# Altium PCB fpga.PcbDoc (part 7 of 11) (continued)
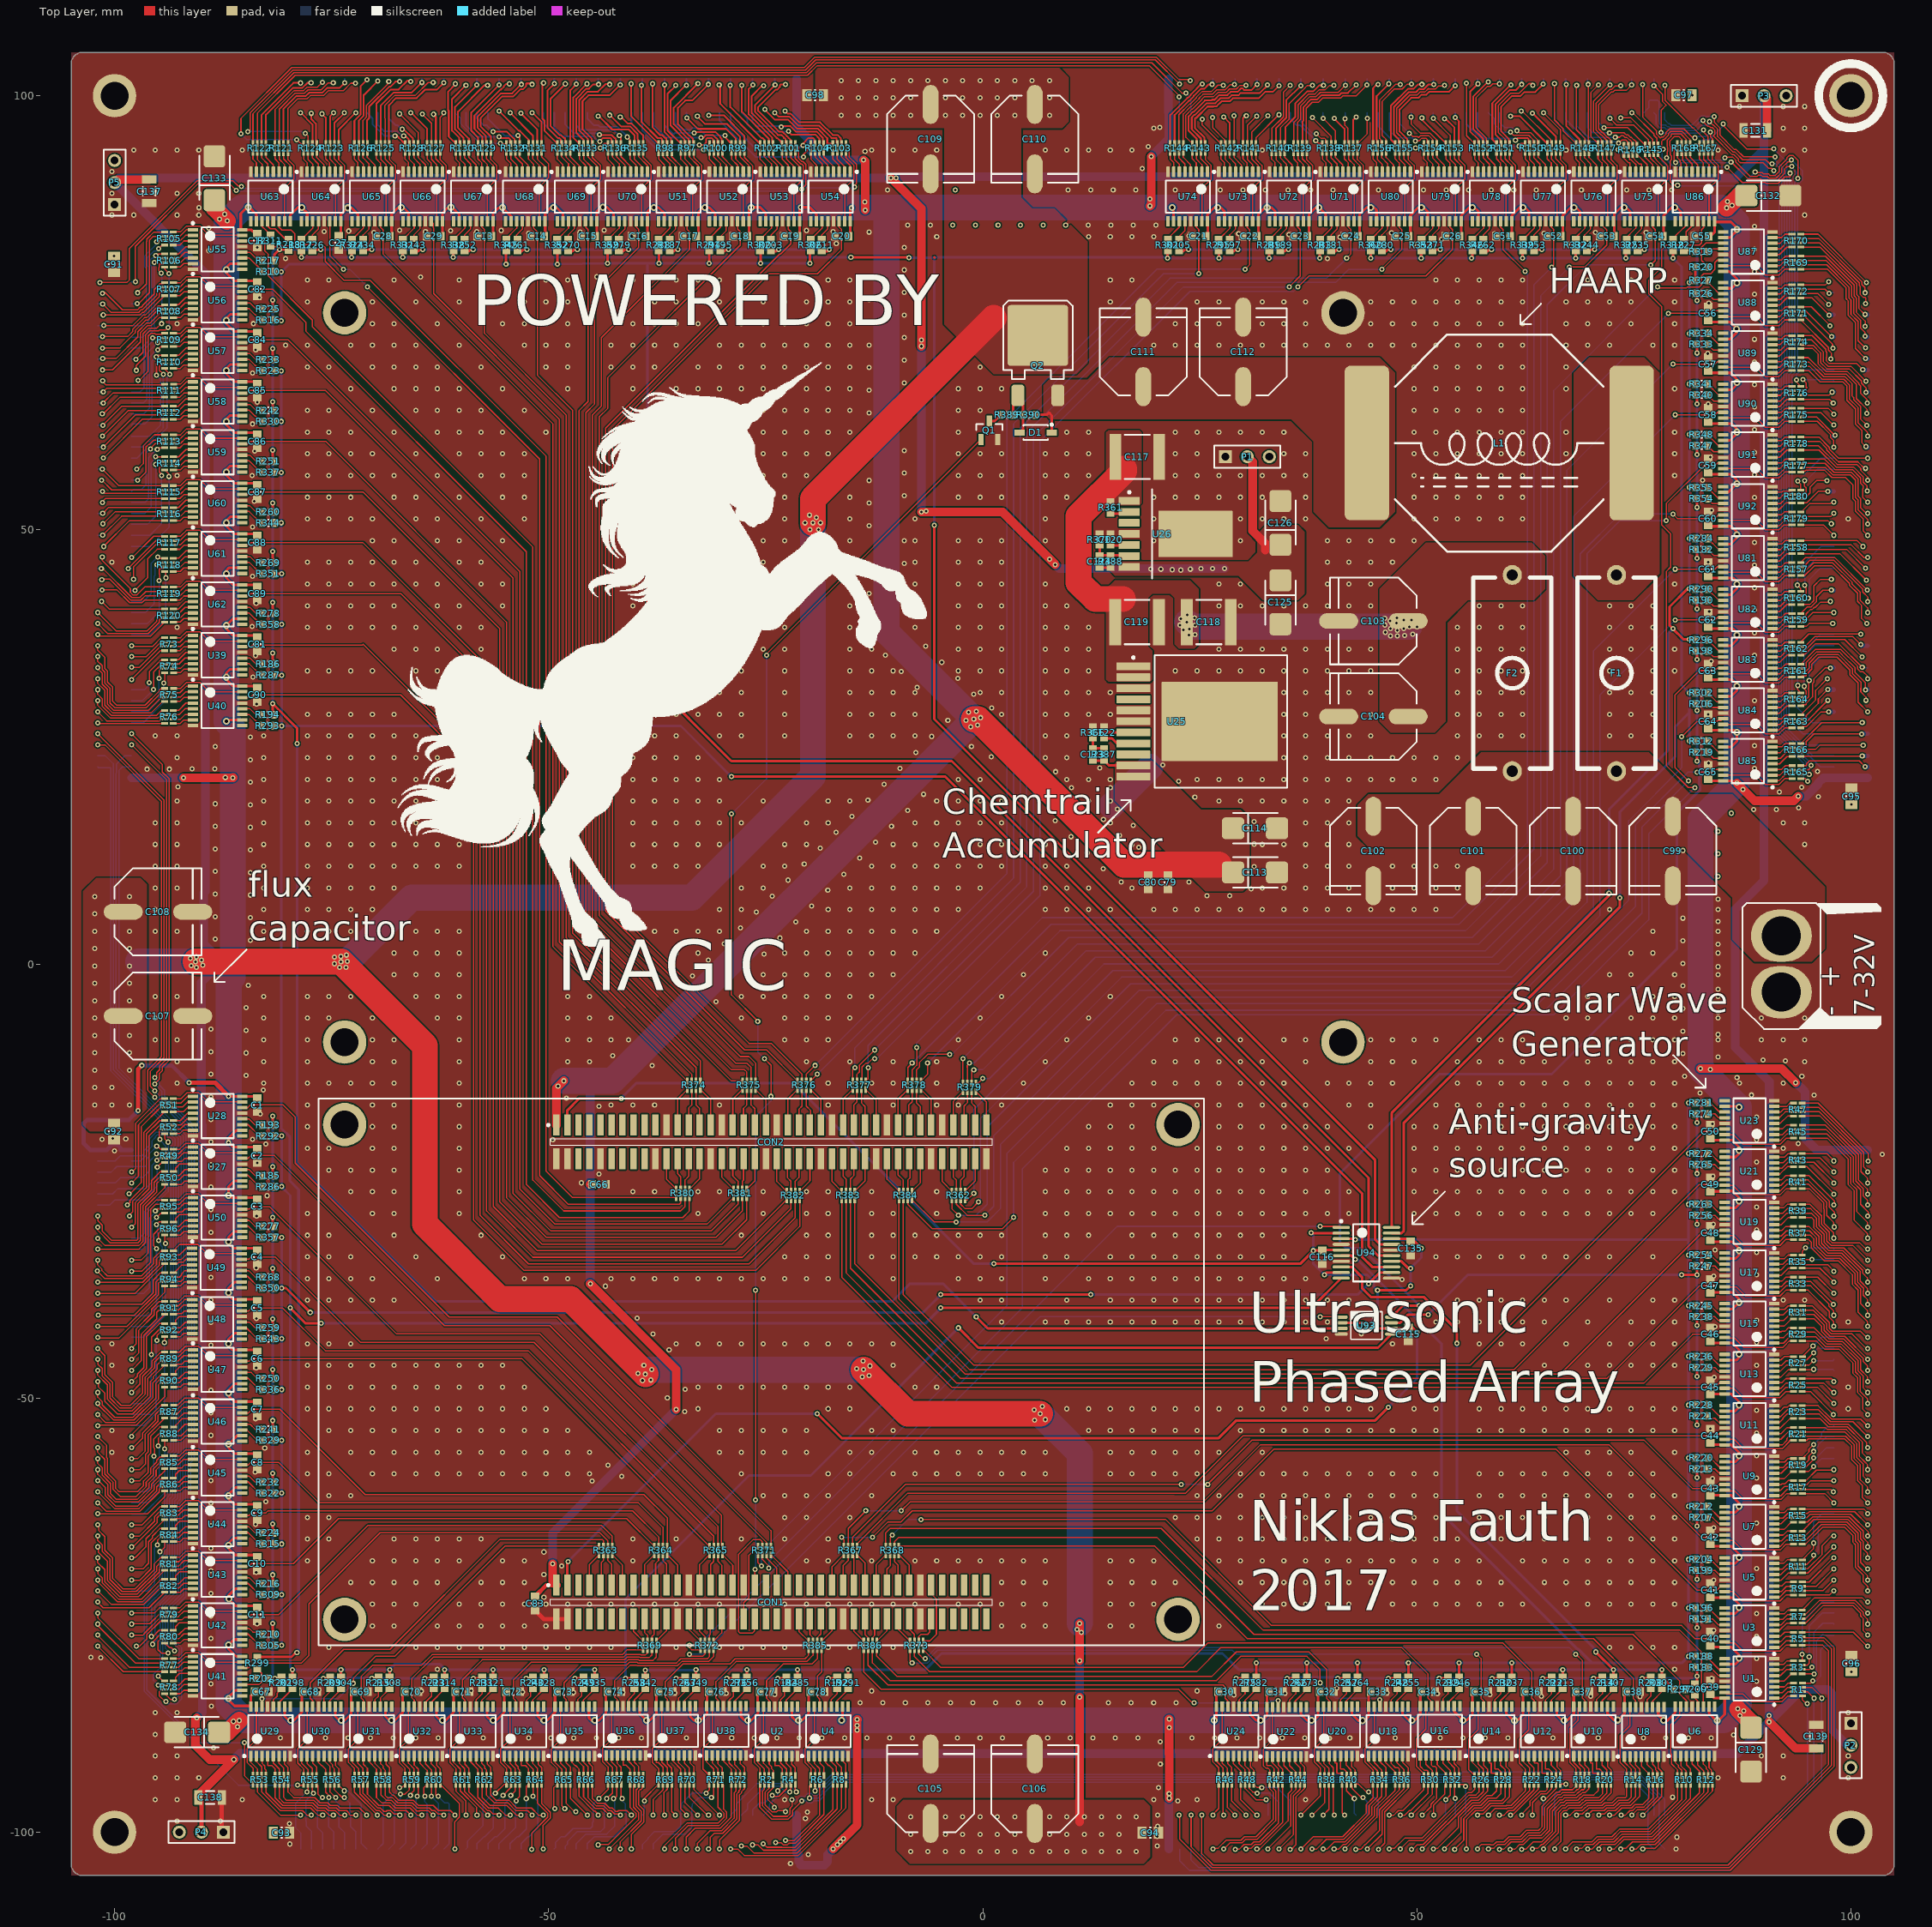
[diagram p0: Top Layer view]
## Nets (pads, with @x,y where several pads share a name; then routed paths per layer and width w, separated by ;. In a path a pad name is that pad's centre, name@x,y a point inside that pad or via, vN(x,y) a via of type N, cw(c..) or ccw(c..) an arc to the next point about the centre after c; other vN are vias at no path point) (continued)
  Top Layer w0.15: v1(-101.321,65.888) -100.922,66.286 R111.6@-94.218,66.286
  Bottom Layer w0.15: J5.75@-101.95,65.875 -101.333,65.875 v1(-101.321,65.888)
NetJ5_76: J5.76 R109.6 | length 9.3
  Top Layer w0.15: v1(-95.606,72.111) -94.247,72.111 R109.6@-94.226,72.132
  Bottom Layer w0.15: J5.76@-98.05,65.875 -97.066,65.875 -96.607,66.334 -96.607,70.759 -95.529,71.837 -95.529,72.085 -95.555,72.111 v1(-95.606,72.111)
NetJ5_77: J5.77 R111.5 | length 7.5
  Top Layer w0.15: v1(-101.371,67.158) -101.371,67.132 -101.397,67.107 -100.973,66.683 -94.321,66.683 R111.5@-94.218,66.786
NetJ5_78: J5.78 R109.5 | length 8
  Top Layer w0.15: v1(-97.282,67.208) -97.307,67.183 -97.307,67.081 -96.131,68.258 -96.131,72.328 -95.823,72.636 -95.388,72.636 -95.26,72.507 -94.549,72.507 -94.42,72.636 -94.23,72.636 R109.5@-94.226,72.632
NetJ5_79: J5.79 R108.8 | length 10.3
  Top Layer w0.15: v1(-101.397,68.428) -100.232,68.428 -97.031,71.629 -97.031,72.701 -96.196,73.536 -95.772,73.536 -94.873,74.434 R108.8@-94.226,74.434
NetJ5_80: J5.80 R106.8 | length 14.7
  Top Layer w0.15: v1(-97.485,68.377) -97.511,68.402 -97.511,68.93 -96.431,70.01 -96.431,72.452 -95.947,72.936 -94.911,72.936 -94.84,73.007 -94.15,73.007 v1(-93.853,73.304) ; R106.8@-94.226,80.276 -94.226,80.027 v1(-93.726,79.527)
  Bottom Layer w0.15: v1(-93.853,73.304) -93.726,73.431 v1(-93.726,79.527)
NetJ5_81: J5.81 R108.7 | length 10.2
  Top Layer w0.15: v1(-101.371,69.748) -99.822,69.748 -97.331,72.24 -97.331,72.825 -96.32,73.836 -95.896,73.836 -94.797,74.934 R108.7@-94.226,74.934
  Bottom Layer w0.15: J5.81@-101.95,69.685 -101.435,69.685 v1(-101.371,69.748)
NetJ5_82: J5.82 R106.7 | length 14.3
  Top Layer w0.15: v1(-97.536,69.647) -96.731,70.452 -96.731,72.577 -96.072,73.236 -95.14,73.236 -94.793,73.582 -94.793,73.787 -94.59,73.787 v1(-94.564,73.762) ; v1(-94.64,79.578) -94.92,79.858 -94.92,80.213 -94.851,80.282 -94.851,80.651 -94.351,80.651 R106.7@-94.226,80.776
  Bottom Layer w0.15: J5.82@-98.05,69.685 -97.574,69.685 v1(-97.536,69.647) ; v1(-94.64,79.578) -94.564,79.502 v1(-94.564,73.762)
NetJ5_83: J5.83 R108.6 | length 9.3
  Top Layer w0.15: v1(-101.397,70.917) -101.448,70.968 -99.365,70.968 -97.631,72.702 -97.631,72.949 -96.444,74.136 -96.197,74.136 -94.898,75.434 R108.6@-94.226,75.434
NetJ5_84: J5.84 R106.6 | length 13.2
  Top Layer w0.15: v1(-95.428,80.797) -95.25,80.797 -94.771,81.276 R106.6@-94.226,81.276
  Bottom Layer w0.15: J5.84@-98.05,70.955 -96.888,70.955 -96.131,71.713 -96.131,72.328 -95.225,73.234 -95.428,73.437 v1(-95.428,80.797)
NetJ5_85: J5.85 R108.5 | length 9.4
  Top Layer w0.15: v1(-101.397,72.263) -98.494,72.263 -97.931,72.826 -97.931,73.074 -96.569,74.436 -96.321,74.436 -94.948,75.809 -94.351,75.809 R108.5@-94.226,75.934
  Bottom Layer w0.15: J5.85@-101.95,72.225 -101.435,72.225 v1(-101.397,72.263)
NetJ5_86: J5.86 R106.5 | length 12.8
  Top Layer w0.15: v1(-95.25,81.585) -95.25,81.559 -95.033,81.776 R106.5@-94.226,81.776
  Bottom Layer w0.15: J5.86@-98.05,72.225 -97.986,72.161 -96.799,72.161 -95.75,73.211 -95.75,80.377 -95.953,80.58 -95.953,81.015 -95.645,81.322 -95.467,81.322 -95.25,81.54 v1(-95.25,81.585)
NetJ5_87: J5.87 R107.8 | length 9.2
  Top Layer w0.15: v1(-101.27,73.533) -97.895,73.533 -96.693,74.736 -96.464,74.736 R107.8@-94.226,76.974
  Bottom Layer w0.15: J5.87@-101.95,73.495 -101.308,73.495 v1(-101.27,73.533)
NetJ5_88: J5.88 R105.8 | length 12.2
  Top Layer w0.15: v1(-94.945,82.398) -94.539,82.804 R105.8@-94.234,82.804
  Bottom Layer w0.15: J5.88@-98.05,73.495 -96.66,73.495 -96.05,74.105 -96.05,80.252 -96.253,80.456 -96.253,81.324 -95.467,82.11 -95.233,82.11 v1(-94.945,82.398)
NetJ5_89: J5.89 R107.7 | length 8.4
  Top Layer w0.15: v1(-101.321,74.752) -97.101,74.752 -96.817,75.036 -96.678,75.036 -94.851,76.862 -94.851,77.217 -94.719,77.349 -94.351,77.349 R107.7@-94.226,77.474
NetJ5_90: J5.90 R105.7 | length 11.5
  Top Layer w0.15: v1(-95.148,83.16) -95.004,83.304 R105.7@-94.234,83.304
  Bottom Layer w0.15: J5.90@-98.05,74.765 -96.71,74.765 -96.35,75.126 -96.35,80.128 -96.553,80.331 -96.553,81.532 -95.148,82.937 v1(-95.148,83.16)
NetJ5_91: J5.91 R107.6 | length 9.7
  Top Layer w0.15: v1(-101.371,76.022) -100.401,75.052 -97.225,75.052 -96.941,75.336 -96.802,75.336 -95.151,76.986 -95.151,77.341 -94.851,77.641 -94.851,77.849 -94.351,77.849 R107.6@-94.226,77.974
  Bottom Layer w0.15: J5.91@-101.95,76.035 -101.384,76.035 v1(-101.371,76.022)
NetJ5_92: J5.92 R105.6 | length 10.7
  Top Layer w0.15: v1(-97.384,76.073) -97.231,76.073 -95.987,77.318 -95.987,83.363 -95.545,83.804 R105.6@-94.234,83.804
  Bottom Layer w0.15: J5.92@-98.05,76.035 -97.346,76.035 v1(-97.384,76.073)
NetJ5_93: J5.93 R107.5 | length 9.7
  Top Layer w0.15: v1(-101.397,77.267) -101.397,77.292 -101.321,77.368 -101.127,77.368 -99.111,75.352 -97.349,75.352 -97.066,75.636 -96.926,75.636 -96.782,75.779 -96.782,75.846 -95.451,77.178 -95.451,77.673 -94.775,78.349 -94.351,78.349 R107.5@-94.226,78.474
NetJ5_94: J5.94 R105.5 | length 9.1
  Top Layer w0.15: v1(-97.358,77.318) -97.384,77.292 -97.384,77.267 -96.342,78.308 -96.342,83.185 -96.287,83.241 -96.287,83.487 -95.47,84.304 R105.5@-94.234,84.304
NetJ5_95: J5.95 R103.5 | length 100.9
  Top Layer w0.15: v1(-101.702,78.486) -98.603,78.486 -98.298,78.791 -98.298,82.423 -98.265,82.423 -90.497,90.191 -86.349,90.191 -85.77,89.611 -85.446,89.611 v1(-85.395,89.56) ; R103.5@-15.76,94.48 -15.664,94.48 -15.392,94.209 -15.392,93.988 -15.396,93.984 -15.385,93.973 -15.385,92.987 -15.408,92.964 -14.526,92.082 -14.526,89.919 -14.935,89.51 v1(-14.783,89.51)
  Bottom Layer w0.15: J5.95@-101.95,78.575 -101.791,78.575 v1(-101.702,78.486) ; v1(-85.395,89.56) -85.17,89.335 -21.516,89.335 -21.071,89.781 -20.636,89.781 -20.328,89.473 -20.328,89.366 -20.32,89.357 -14.935,89.357 v1(-14.783,89.51)
NetJ5_96: J5.96 R101.5 | length 90.7
  Top Layer w0.15: v1(-97.612,78.562) -97.612,82.652 -90.373,89.891 -86.792,89.891 v1(-86.004,89.103) ; R101.5@-21.602,94.48 -21.227,94.105 -21.227,92.824 -20.842,92.439 -20.725,92.439 -20.368,92.083 -20.368,89.741 v1(-20.853,89.256)
  Bottom Layer w0.15: J5.96@-98.05,78.575 -97.625,78.575 v1(-97.612,78.562) ; v1(-86.004,89.103) -85.937,89.035 -21.074,89.035 v1(-20.853,89.256)
NetJ6_7: J6.7 R103.6 | length 8.6
  Top Layer w0.2: v1(-22.758,98.247) -22.442,97.931 -22.11,97.931 -21.108,96.929 -18.724,96.929 -17.275,95.48 -16.715,95.48 -16.36,95.125 -16.36,94.58 R103.6@-16.26,94.48
  Bottom Layer w0.2: v1(-22.758,98.247) -22.695,98.184 J6.7@-22.695,98.05
NetJ6_8: J6.8 R101.6 | length 10.3
  Top Layer w0.2: v1(-22.733,101.295) -23.266,101.295 -23.377,101.185 -23.377,101.017 -23.699,100.694 -23.867,100.694 -25.857,98.704 -25.857,98.257 -23.443,95.843 -23.062,95.843 -22.554,95.335 -22.554,95.331 -22.353,95.13 -22.348,95.13 -22.102,94.884 R101.6@-22.102,94.48
NetJ6_9: J6.9 R103.7 | length 9.2
  Top Layer w0.2: v1(-23.965,98.05) -24.028,98.113 -24.028,98.12 -23.489,97.581 -22.255,97.581 -21.253,96.579 -18.869,96.579 -17.42,95.13 -16.86,95.13 -16.86,94.58 R103.7@-16.76,94.48
NetJ6_10: J6.10 R101.7 | length 10.2
  Top Layer w0.2: v1(-23.927,101.244) -26.249,98.922 -26.249,98.154 -23.588,95.493 -23.211,95.493 -22.904,95.186 -22.904,95.13 -22.848,95.13 -22.702,94.984 -22.702,94.58 R101.7@-22.602,94.48
  Bottom Layer w0.2: J6.10@-23.965,101.95 -23.965,101.283 v1(-23.927,101.244)
NetJ6_11: J6.11 R103.8 | length 9.8
  Top Layer w0.2: v1(-25.07,98.425) -25.07,98.377 -23.924,97.231 -22.4,97.231 -21.398,96.229 -19.014,96.229 -17.904,95.119 -17.904,94.48 R103.8@-17.26,94.48
NetJ6_12: J6.12 R101.8 | length 8.9
  Top Layer w0.2: v1(-25.222,101.143) -25.273,101.143 -25.349,101.219 -26.599,99.969 -26.599,98.009 -23.733,95.143 -23.667,95.143 -23.254,94.73 -23.254,94.642 -23.102,94.49 R101.8@-23.102,94.48
NetJ6_13: J6.13 R104.5 | length 11.7
  Top Layer w0.2: v1(-23.216,96.393) -23.123,96.486 -22.15,96.486 -21.543,95.879 -19.159,95.879 -18.404,95.124 -18.404,94.488 R104.5@-18.304,94.488
  Bottom Layer w0.2: J6.13@-26.505,98.05 -26.505,96.99 -26.035,96.52 -22.835,96.52 -22.733,96.418 -23.19,96.418 v1(-23.216,96.393)
NetJ6_14: J6.14 R102.5 | length 8.8
  Top Layer w0.2: v1(-26.467,101.27) -26.949,100.787 -26.949,97.864 -24.242,95.157 -24.242,94.58 R102.5@-24.142,94.48
  Bottom Layer w0.2: J6.14@-26.505,101.95 -26.505,101.308 v1(-26.467,101.27)
NetJ6_15: J6.15 R104.6 | length 11.3
  Top Layer w0.2: v1(-22.377,95.936) -22.377,95.834 -22.073,95.529 -19.304,95.529 -18.804,95.029 R104.6@-18.804,94.488
  Bottom Layer w0.2: J6.15@-27.775,98.05 -27.125,97.4 -27.125,96.746 -26.222,95.843 -22.47,95.843 v1(-22.377,95.936)
NetJ6_16: J6.16 R102.6 | length 8
  Top Layer w0.2: v1(-27.737,101.219) -27.737,98.156 -24.642,95.062 R102.6@-24.642,94.48
NetJ6_17: J6.17 R104.7 | length 14.3
  Top Layer w0.2: R104.7@-19.304,94.488 -19.404,94.588 -19.404,94.992 -19.55,95.138 -20.058,95.138 -20.676,94.52 v1(-20.676,94.306) ; v1(-20.676,94.306) -20.676,94.114 -20.802,94.24 -20.902,94.24 -20.929,94.267 -20.715,94.267 v1(-20.676,94.306)
  Bottom Layer w0.2: J6.17@-29.045,98.05 -29.045,96.761 -26.467,94.183 -21.431,94.183 -21.327,94.078 v1@-20.577,94.078 ; -20.903,94.078 v1(-20.676,94.306)
NetJ6_18: J6.18 R102.7 | length 9.2
  Top Layer w0.2: v1(-29.083,101.219) -29.083,98.704 -25.509,95.13 -25.388,95.13 -25.142,94.884 R102.7@-25.142,94.48
  Bottom Layer w0.2: v1(-29.083,101.219) -29.045,101.257 J6.18@-29.045,101.95
NetJ6_19: J6.19 R104.8 | length 14.2
  Top Layer w0.2: v1(-20.625,92.964) -20.625,93.253 -20.227,93.651 -20.227,93.977 -19.804,94.4 R104.8@-19.804,94.488
  Bottom Layer w0.2: J6.19@-30.315,98.05 -30.315,97.117 -26.162,92.964 v1(-20.625,92.964)
NetJ6_20: J6.20 R102.8 | length 8.8
  Top Layer w0.2: v1(-30.353,101.244) -30.277,101.244 -30.251,101.219 -30.251,99.089 R102.8@-25.642,94.48
NetJ6_21: J6.21 R99.5 | length 6.3
  Top Layer w0.2: v1(-31.572,97.739) -29.82,97.739 -27.444,95.364 R99.5@-27.444,94.48
  Bottom Layer w0.2: J6.21@-31.585,98.05 -31.585,97.752 v1(-31.572,97.739)
NetJ6_22: J6.22 R97.5 | length 10.2
  Top Layer w0.2: R97.5@-33.282,94.488 -33.382,94.588 -33.382,95.024 -33.775,95.417 -33.812,95.417 -35.108,96.712 -35.108,98.611 -34.263,99.455 -33.463,99.455 v1(-31.598,101.321)
  Bottom Layer w0.2: v1(-31.598,101.321) -31.585,101.333 J6.22@-31.585,101.95
NetJ6_23: J6.23 R99.6 | length 6.7
  Top Layer w0.2: v1(-32.868,97.638) -31.979,96.749 -29.439,96.749 -27.944,95.254 R99.6@-27.944,94.48
NetJ6_24: J6.24 R97.6 | length 8.8
  Top Layer w0.2: R97.6@-33.782,94.488 -33.882,94.588 -33.882,95.029 -33.92,95.067 -33.957,95.067 -35.602,96.712 -35.602,98.611 v1(-32.817,101.397)
NetJ6_25: J6.25 R99.7 | length 7.8
  Top Layer w0.2: v1(-34.087,97.46) -32.815,96.188 -29.564,96.188 -28.444,95.068 R99.7@-28.444,94.48
  Bottom Layer w0.2: J6.25@-34.125,98.05 -34.125,97.498 v1(-34.087,97.46)
NetJ6_26: J6.26 R97.7 | length 8.9
  Top Layer w0.2: R97.7@-34.282,94.488 -34.382,94.588 -34.382,94.992 -35.952,96.562 -35.952,99.455 -34.188,101.219 v1(-34.138,101.219)
  Bottom Layer w0.2: v1(-34.138,101.219) -34.125,101.232 J6.26@-34.125,101.95
NetJ6_27: J6.27 R99.8 | length 9
  Top Layer w0.2: v1(-29.693,95.428) -29.667,95.428 -29.667,95.203 R99.8@-28.944,94.48
  Bottom Layer w0.2: J6.27@-35.395,98.05 -35.395,96.761 -34.722,96.088 -34.087,96.088 -34.081,96.083 -33.676,96.083 -33.476,96.283 -32.792,96.283 -31.937,95.428 v1(-29.693,95.428)
NetJ6_28: J6.28 R97.8 | length 7.7
  Top Layer w0.2: v1(-35.357,101.194) -36.302,100.248 -36.302,96.008 R97.8@-34.782,94.488
NetJ6_29: J6.29 R100.5 | length 9.6
  Top Layer w0.2: v1(-33.249,95.733) -33.143,95.838 -30.785,95.838 -30.243,95.296 -30.243,95.2 -30.08,95.037 -30.08,94.588 R100.5@-29.98,94.488
  Bottom Layer w0.2: J6.29@-36.665,98.05 -36.665,96.609 -35.611,95.555 -35.433,95.733 v1(-33.249,95.733)
NetJ6_30: J6.30 R98.5 | length 7.7
  Top Layer w0.2: v1(-36.652,101.244) -36.652,95.839 -35.93,95.117 R98.5@-35.93,94.572
  Bottom Layer w0.2: J6.30@-36.665,101.95 -36.665,101.257 v1(-36.652,101.244)
NetJ6_31: J6.31 R100.6 | length 10.3
  Top Layer w0.2: v1(-32.461,95.174) -32.193,95.174 -31.879,95.488 -31.081,95.488 -30.731,95.138 -30.676,95.138 -30.58,95.042 -30.58,94.588 R100.6@-30.48,94.488
  Bottom Layer w0.2: J6.31@-37.935,98.05 -37.935,96.634 -37.948,96.622 -36.5,95.174 v1(-32.461,95.174)
NetJ6_32: J6.32 R98.6 | length 7.8
  Top Layer w0.2: v1(-38.049,101.371) -38.049,96.368 -37.154,95.472 -36.931,95.472 -36.581,95.122 -36.43,95.122 -36.43,94.572 R98.6@-36.33,94.472
NetJ6_33: J6.33 R100.7 | length 12.1
  Top Layer w0.2: v1(-32.639,94.336) -32.127,94.336 -31.88,94.583 -31.88,94.992 -31.734,95.138 -31.226,95.138 -31.08,94.992 -31.08,94.588 R100.7@-30.98,94.488
  Bottom Layer w0.2: J6.33@-39.205,98.05 -39.205,95.986 -37.529,94.31 -37.503,94.336 v1(-32.639,94.336)
NetJ6_34: J6.34 R98.7 | length 8.7
  Top Layer w0.2: v1(-39.294,101.194) -39.294,96.977 -37.439,95.122 -37.076,95.122 -36.93,94.976 -36.93,94.572 R98.7@-36.83,94.472
  Bottom Layer w0.2: v1(-39.294,101.194) -39.205,101.282 J6.34@-39.205,101.95
NetJ6_35: J6.35 R100.8 | length 12
  Top Layer w0.2: v1(-32.131,93.777) -32.08,93.726 -32.004,93.726 -32.004,93.964 R100.8@-31.48,94.488
  Bottom Layer w0.2: J6.35@-40.475,98.05 -40.475,96.761 -37.49,93.777 v1(-32.131,93.777)
NetJ6_36: J6.36 R98.8 | length 8.2
  Top Layer w0.2: v1(-40.488,101.371) -40.488,97.63 R98.8@-37.33,94.472
NetJ6_37: J6.37 R135.5 | length 4.5
  Top Layer w0.2: v1(-41.758,97.536) -41.631,97.536 -40.908,96.814 -40.477,96.814 -39.128,95.465 R135.5@-39.128,94.48
NetJ6_38: J6.38 R133.5 | length 11.2
  Top Layer w0.2: R133.5@-44.966,94.472 -45.066,94.572 -45.066,95.091 -46.106,96.131 -46.106,99.373 -45.429,100.051 -42.977,100.051 v1(-41.758,101.27)
  Bottom Layer w0.2: v1(-41.758,101.27) -41.745,101.282 J6.38@-41.745,101.95
NetJ6_39: J6.39 R135.6 | length 5.6
  Top Layer w0.2: v1(-42.951,97.765) -41.65,96.464 -40.622,96.464 -39.778,95.62 -39.778,95.034 -39.728,94.984 -39.728,94.58 R135.6@-39.628,94.48
  Bottom Layer w0.2: J6.39@-43.015,98.05 -43.015,97.828 v1(-42.951,97.765)
NetJ6_40: J6.40 R133.6 | length 9.7
  Top Layer w0.2: R133.6@-45.466,94.472 -45.466,94.996 -46.456,95.986 -46.456,99.518 -45.503,100.471 -44.318,100.471 -43.444,101.346 -42.977,101.346 v1(-42.951,101.321)
NetJ6_41: J6.41 R135.7 | length 6.1
  Top Layer w0.2: v1(-44.323,97.663) -44.221,97.663 -42.672,96.114 -40.767,96.114 -40.128,95.475 R135.7@-40.128,94.48
NetJ6_42: J6.42 R133.7 | length 9.4
  Top Layer w0.2: R133.7@-45.966,94.472 -45.966,94.876 -46.806,95.716 -46.806,99.663 -45.648,100.821 -45.365,100.821 -44.866,101.321 v1(-44.247,101.321)
  Bottom Layer w0.2: J6.42@-44.285,101.95 -44.285,101.359 v1(-44.247,101.321)
NetJ6_43: J6.43 R135.8 | length 7.1
  Top Layer w0.2: v1(-40.945,95.25) -40.628,94.933 R135.8@-40.628,94.48
  Bottom Layer w0.2: J6.43@-45.555,98.05 -45.555,97.396 -44.759,96.6 -44.251,96.6 -44.055,96.404 -42.058,96.404 -40.945,95.291 v1(-40.945,95.25)
NetJ6_44: J6.44 R133.8 | length 7.8
  Top Layer w0.2: R133.8@-46.466,94.472 -47.156,95.162 -47.156,99.808 v1(-45.593,101.371)
NetJ6_45: J6.45 R136.5 | length 7.9
  Top Layer w0.2: v1(-41.859,95.428) -41.672,95.241 R136.5@-41.672,94.488
  Bottom Layer w0.2: J6.45@-46.825,98.05 -46.825,96.584 -46.304,96.063 -44.298,96.063 -44.292,96.057 -44.292,96.054 -42.485,96.054 v1(-41.859,95.428)
NetJ6_46: J6.46 R134.5 | length 7.8
  Top Layer w0.2: R134.5@-47.506,94.488 -47.506,100.652 v1(-46.812,101.346)
  Bottom Layer w0.2: J6.46@-46.825,101.95 -46.825,101.359 v1(-46.812,101.346)
NetJ6_47: J6.47 R136.6 | length 8.6
  Top Layer w0.2: v1(-44.145,95.504) -43.999,95.358 -43.869,95.488 -42.773,95.488 -42.423,95.138 -42.347,95.138 -42.272,95.063 -42.272,94.588 R136.6@-42.172,94.488
  Bottom Layer w0.2: J6.47@-48.095,98.05 -48.095,96.685 -47.061,95.651 -44.292,95.651 v1(-44.145,95.504)
NetJ6_48: J6.48 R134.6 | length 8.5
  Top Layer w0.2: v1(-48.082,101.371) -48.082,101.346 -49.762,99.666 -49.762,96.498 -48.752,95.488 -48.607,95.488 -48.257,95.138 -48.106,95.138 -48.106,94.588 R134.6@-48.006,94.488
NetJ6_49: J6.49 R136.7 | length 9.9
  Top Layer w0.2: v1(-44.12,94.742) -43.724,95.138 -42.918,95.138 -42.772,94.992 -42.772,94.588 R136.7@-42.672,94.488
  Bottom Layer w0.2: J6.49@-49.365,98.05 -49.365,96.33 -48.336,95.301 -44.882,95.301 -44.171,94.59 -44.12,94.64 v1(-44.12,94.742)
NetJ6_50: J6.50 R134.7 | length 8.6
  Top Layer w0.2: v1(-49.327,101.397) -50.112,100.612 -50.112,96.291 -48.959,95.138 -48.752,95.138 -48.606,94.992 -48.606,94.588 R134.7@-48.506,94.488
  Bottom Layer w0.2: J6.50@-49.365,101.95 -49.365,101.435 v1(-49.327,101.397)
NetJ6_51: J6.51 R136.8 | length 10
  Top Layer w0.2: v1(-44.069,93.98) -43.561,94.488 R136.8@-43.172,94.488
  Bottom Layer w0.2: J6.51@-50.635,98.05 -50.635,96.888 -47.727,93.98 v1(-44.069,93.98)
NetJ6_52: J6.52 R134.8 | length 8
  Top Layer w0.2: v1(-50.597,101.473) -50.724,101.6 -50.724,97.364 -50.462,97.102 -50.462,95.944 R134.8@-49.006,94.488
NetJ6_53: J6.53 R131.5 | length 4
  Top Layer w0.2: v1(-51.905,98.05) -50.812,96.957 R131.5@-50.812,94.48
NetJ6_54: J6.54 R129.5 | length 11.3
  Top Layer w0.2: R129.5@-56.654,94.48 -56.654,95.287 -57.853,96.485 -57.853,97.424 -55.347,99.929 -54.059,99.929 -53.217,100.771 -52.934,100.771 -52.612,101.093 -52.612,101.376 -52.566,101.422 -51.968,101.422 -51.968,101.371 v1(-51.918,101.321)
NetJ6_55: J6.55 R131.6 | length 4.3
  Top Layer w0.2: v1(-53.213,97.993) -51.312,96.092 R131.6@-51.312,94.48
NetJ6_56: J6.56 R129.6 | length 10.8
  Top Layer w0.2: R129.6@-57.154,94.48 -57.254,94.58 -57.254,95.392 -58.203,96.34 -58.203,97.569 -55.492,100.279 -54.204,100.279 v1(-53.162,101.321)
  Bottom Layer w0.2: J6.56@-53.175,101.95 -53.175,101.333 v1(-53.162,101.321)
NetJ6_57: J6.57 R131.7 | length 4.7
  Top Layer w0.2: v1(-54.445,98.05) -51.812,95.417 R131.7@-51.812,94.48
NetJ6_58: J6.58 R129.7 | length 9.2
  Top Layer w0.2: R129.7@-57.654,94.48 -57.654,95.297 -58.553,96.195 -58.553,97.714 -55.547,100.72 -55.474,100.72 -55.152,101.042 -55.152,101.114 -54.895,101.371 v1(-54.508,101.371)
NetJ6_59: J6.59 R131.8 | length 5.2
  Top Layer w0.2: v1(-55.702,98.222) -53.433,95.952 -53.315,95.952 -52.312,94.949 R131.8@-52.312,94.48
NetJ6_60: J6.60 R129.8 | length 9.1
  Top Layer w0.2: R129.8@-58.154,94.48 -58.154,95.213 -58.903,95.961 -58.903,98.069 v1(-55.702,101.27)
  Bottom Layer w0.2: J6.60@-55.715,101.95 -55.715,101.283 v1(-55.702,101.27)
NetJ6_61: J6.61 R132.5 | length 6
  Top Layer w0.2: v1(-53.543,95.402) -53.352,95.211 R132.5@-53.352,94.48
  Bottom Layer w0.2: J6.61@-56.985,98.05 -56.985,97.32 -55.49,95.825 -55.474,95.825 -55.152,95.503 -55.152,95.487 -55.042,95.377 -53.569,95.377 v1(-53.543,95.402)
NetJ6_62: J6.62 R130.5 | length 8.9
  Top Layer w0.2: R130.5@-59.194,94.48 -59.194,95.059 -60.438,96.303 -60.438,98.171 -57.39,101.219 v1(-57.023,101.219)
NetJ6_63: J6.63 R132.6 | length 6.5
  Top Layer w0.2: v1(-56.388,95.885) -54.858,95.885 -54.103,95.13 -54.049,95.13 -53.952,95.033 -53.952,94.58 R132.6@-53.852,94.48
  Bottom Layer w0.2: J6.63@-58.255,98.05 -58.255,97.396 -57.459,96.6 -57.103,96.6 v1(-56.388,95.885)
NetJ6_64: J6.64 R130.6 | length 9
  Top Layer w0.2: R130.6@-59.694,94.48 -59.794,94.58 -59.794,95.125 -60.788,96.119 -60.788,98.724 v1(-58.268,101.244)
  Bottom Layer w0.2: v1(-58.268,101.244) -58.255,101.257 J6.64@-58.255,101.95
NetJ6_65: J6.65 R132.7 | length 7.7
  Top Layer w0.2: v1(-55.702,95.275) -55.557,95.13 -54.598,95.13 -54.452,94.984 -54.452,94.58 R132.7@-54.352,94.48
  Bottom Layer w0.2: J6.65@-59.525,98.05 -59.525,96.621 -58.154,95.25 -58.128,95.275 v1(-55.702,95.275)
NetJ6_66: J6.66 R130.7 | length 7.8
  Top Layer w0.2: R130.7@-60.194,94.48 -60.294,94.58 -60.294,95.13 -61.138,95.974 -61.138,99.619 v1(-59.538,101.219)
NetJ6_67: J6.67 R132.8 | length 7.8
  Top Layer w0.15: v1(-55.55,94.513) -55.516,94.48 R132.8@-54.852,94.48
  Bottom Layer w0.15: J6.67@-60.795,98.05 -60.12,97.375 -60.12,96.757 -57.877,94.513 v1(-55.55,94.513)
NetJ6_68: J6.68 R130.8 | length 7.6
  Top Layer w0.2: v1(-60.757,101.371) -60.757,101.295 -61.57,100.482 -61.57,98.332 -61.515,98.278 -61.515,95.301 R130.8@-60.694,94.48
NetJ6_69: J6.69 R127.5 | length 3.7
  Top Layer w0.15: R127.5@-62.496,94.48 -62.496,97.499 -62.065,97.93 v1(-62.065,98.05)
NetJ6_70: J6.70 R125.5 | length 12.3
  Top Layer w0.2: R125.5@-68.338,94.48 -68.4,94.542 -68.4,98.909 -67.583,99.725 -65.214,99.725 -64.254,100.686 -62.89,100.686 v1(-62.078,101.498)
  Bottom Layer w0.2: v1(-62.078,101.498) -62.065,101.511 J6.70@-62.065,101.95
NetJ6_71: J6.71 R127.6 | length 3.7
  Top Layer w0.2: v1(-63.246,97.866) -62.996,97.616 R127.6@-62.996,94.48
  Bottom Layer w0.2: J6.71@-63.335,98.05 -63.335,97.955 v1(-63.246,97.866)
NetJ6_72: J6.72 R125.6 | length 11.1
  Top Layer w0.15: R125.6@-68.838,94.48 -68.838,97.388 -68.859,97.409 -68.859,98.909 -67.718,100.05 -65.349,100.05 -63.875,101.524 v1(-63.297,101.524)
NetJ6_73: J6.73 R127.7 | length 3.9
  Top Layer w0.15: v1(-64.567,97.892) -63.496,96.821 R127.7@-63.496,94.48
NetJ6_74: J6.74 R125.7 | length 10.7
  Top Layer w0.2: R125.7@-69.338,94.48 -69.338,98.89 -67.852,100.375 -65.766,100.375 v1(-64.618,101.524)
  Bottom Layer w0.2: v1(-64.618,101.524) -64.605,101.536 J6.74@-64.605,101.95
NetJ6_75: J6.75 R127.8 | length 4.3
  Top Layer w0.2: v1(-65.875,98.05) -63.996,96.171 R127.8@-63.996,94.48
NetJ6_76: J6.76 R125.8 | length 9.8
  Top Layer w0.2: R125.8@-69.838,94.48 -69.838,99.09 -68.202,100.725 -67.28,100.725 -66.278,101.727 -65.862,101.727 -65.888,101.702 v1(-65.888,101.625)
NetJ6_77: J6.77 R128.5 | length 4.3
  Top Layer w0.15: v1(-67.183,97.917) -65.036,95.77 R128.5@-65.036,94.48
NetJ6_78: J6.78 R126.5 | length 9.4
  Top Layer w0.2: R126.5@-70.882,94.488 -70.922,94.528 -70.922,97.161 -70.675,97.408 -70.675,98.748 -68.347,101.075 -68.2,101.075 -67.65,101.625 v1(-67.158,101.625)
  Bottom Layer w0.2: v1(-67.158,101.625) -67.145,101.638 J6.78@-67.145,101.95
NetJ6_79: J6.79 R128.6 | length 5
  Top Layer w0.2: v1(-66.878,96.139) -66.685,96.139 -65.636,95.09 -65.636,94.58 R128.6@-65.536,94.48
  Bottom Layer w0.2: J6.79@-68.415,98.05 -68.415,97.396 -67.619,96.6 -67.365,96.6 -66.904,96.139 v1(-66.878,96.139)
NetJ6_80: J6.80 R126.6 | length 8.7
  Top Layer w0.15: R126.6@-71.382,94.488 -71.382,97.161 -71,97.543 -71,98.882 -68.504,101.378 -68.504,101.803 -68.428,101.727 v1(-68.428,101.625)
NetJ6_81: J6.81 R128.7 | length 6.2
  Top Layer w0.2: v1(-66.7,95.377) -66.529,95.377 -66.136,94.984 -66.136,94.58 R128.7@-66.036,94.48
  Bottom Layer w0.2: J6.81@-69.685,98.05 -69.685,96.621 -68.991,95.927 -67.463,95.927 -66.913,95.377 v1(-66.7,95.377)
NetJ6_82: J6.82 R126.7 | length 8.4
  Top Layer w0.2: R126.7@-71.882,94.488 -71.882,97.12 -71.325,97.677 -71.325,100.101 -71.272,100.101 v1(-69.672,101.702)
  Bottom Layer w0.2: J6.82@-69.685,101.95 -69.685,101.714 v1(-69.672,101.702)
NetJ6_83: J6.83 R128.8 | length 6.4
  Top Layer w0.2: v1(-67.691,95.377) -67.64,95.428 -67.64,95.453 -67.509,95.453 -67.25,95.194 -67.25,95.149 -66.581,94.48 R128.8@-66.536,94.48
  Bottom Layer w0.2: J6.83@-70.955,98.05 -70.305,97.4 -70.305,96.746 -68.936,95.377 v1(-67.691,95.377)
NetJ6_84: J6.84 R126.8 | length 7.9
  Top Layer w0.2: R126.8@-72.382,94.488 -72.382,97.115 -71.675,97.822 -71.675,101.096 v1(-70.942,101.829)
NetJ6_85: J6.85 R123.5 | length 4.4
  Top Layer w0.2: R123.5@-74.18,94.48 -74.18,96.095 v1(-72.225,98.05)
NetJ6_86: J6.86 R121.5 | length 13.1
  Top Layer w0.15: R121.5@-80.034,94.472 -80.034,98.541 -78.927,99.648 -77.832,99.648 -77.456,100.023 -75.937,100.023 -75.371,100.589 -73.649,100.589 -72.791,101.448 v1(-72.238,101.448)
NetJ6_87: J6.87 R123.6 | length 4
  Top Layer w0.2: R123.6@-74.68,94.48 -74.68,96.872 v1(-73.533,98.019)
NetJ6_88: J6.88 R121.6 | length 12.8
  Top Layer w0.2: R121.6@-80.534,94.472 -80.534,98.501 -79.062,99.973 -77.966,99.973 -77.591,100.348 -76.072,100.348 -75.506,100.914 -74.066,100.914 v1(-73.482,101.498)
  Bottom Layer w0.2: J6.88@-73.495,101.95 -73.495,101.511 v1(-73.482,101.498)
NetJ6_89: J6.89 R123.7 | length 3.7
  Top Layer w0.2: R123.7@-75.18,94.48 -75.18,97.635 v1(-74.765,98.05)
NetJ6_90: J6.90 R121.7 | length 11.5
  Top Layer w0.15: R121.7@-81.034,94.472 -81.034,98.461 -79.197,100.298 -78.101,100.298 -77.726,100.673 -76.206,100.673 -75.407,101.473 -74.828,101.473 v1(-74.803,101.498)
NetJ6_91: J6.91 R123.8 | length 3.6
  Top Layer w0.2: v1(-76.124,97.917) -75.68,97.473 R123.8@-75.68,94.48
NetJ6_92: J6.92 R121.8 | length 11.1
  Top Layer w0.15: R121.8@-81.534,94.472 -81.534,98.385 -79.321,100.598 -78.225,100.598 -77.85,100.973 -76.649,100.973 v1(-76.073,101.549)
  Bottom Layer w0.15: v1(-76.073,101.549) -76.035,101.587 J6.92@-76.035,101.95
NetJ6_93: J6.93 R124.5 | length 3.8
  Top Layer w0.2: v1(-77.343,97.968) -77.343,97.313 -76.82,96.79 -76.82,94.58 R124.5@-76.72,94.48
  Bottom Layer w0.2: v1(-77.343,97.968) -77.305,98.006 J6.93@-77.305,98.05
NetJ6_94: J6.94 R122.5 | length 10.1
  Top Layer w0.2: R122.5@-82.562,94.48 -82.562,97.816 -79.455,100.923 -78.36,100.923 -77.784,101.498 v1(-77.368,101.498)
NetJ6_95: J6.95 R124.6 | length 4.1
  Top Layer w0.2: v1(-78.575,98.05) -77.22,96.695 R124.6@-77.22,94.48
NetJ6_96: J6.96 R122.6 | length 9.3
  Top Layer w0.2: R122.6@-83.062,94.48 -83.062,97.811 -79.4,101.473 v1(-78.588,101.473)
NetJ7_7: J7.7 R124.7 | length 121.7
  Top Layer w0.15: v1(-84.658,95.885) -84.557,95.885 -84.362,96.08 -84.362,98.053 -79.462,102.954 -20.425,102.954 -19.238,104.14 19.888,104.14 v1(22.682,101.346) ; v1(-78.029,95.682) -77.72,95.373 R124.7@-77.72,94.48
  Bottom Layer w0.15: v1(-84.658,95.885) -78.486,95.885 -78.283,95.682 v1(-78.029,95.682) ; v1(22.682,101.346) 22.695,101.359 J7.7@22.695,101.95
NetJ7_8: J7.8 R122.7 | length 115.4
  Top Layer w0.15: R122.7@-83.562,94.48 -83.562,97.997 -79.206,102.354 -20.176,102.354 -19.101,103.429 19.228,103.429 22.631,100.025 v1(22.631,99.873)
  Bottom Layer w0.15: v1(22.631,99.873) 22.631,98.139 22.708,98.063 J7.8@22.695,98.05
NetJ7_9: J7.9 R124.8 | length 123.2
  Top Layer w0.15: v1(-85.446,95.631) -85.446,97.394 -79.586,103.254 -20.549,103.254 -19.362,104.44 20.012,104.44 22.573,101.879 24.028,101.879 24.028,101.854 v1(23.901,101.727) ; v1(-79.019,94.945) -78.554,94.48 R124.8@-78.22,94.48
  Bottom Layer w0.15: v1(-85.446,95.631) -85.471,95.631 -84.785,94.945 v1(-79.019,94.945)
NetJ7_10: J7.10 R122.8 | length 117.3
  Top Layer w0.15: R122.8@-84.062,94.48 -84.062,97.929 -79.337,102.654 -20.3,102.654 -19.169,103.784 19.482,103.784 22.966,100.3 v1(23.417,100.3)
  Bottom Layer w0.15: v1(23.417,100.3) 23.417,100.255 23.965,99.708 J7.10@23.965,98.05
NetJ7_11: J7.11 R144.8 | length 8.6
  Top Layer w0.2: R144.8@21.602,94.48 21.602,97.777 23.575,99.75 23.645,99.75 23.967,100.072 23.967,100.142 25.273,101.448 v1(25.273,101.346)
NetJ7_12: J7.12 R142.8 | length 3.7
  Top Layer w0.15: v1(25.273,97.307) 25.273,96.706 25.248,96.68 R142.8@27.44,94.488
NetJ7_13: J7.13 R144.7 | length 9.8
  Top Layer w0.2: R144.7@22.102,94.48 22.102,97.782 23.72,99.4 23.79,99.4 24.317,99.927 24.317,99.997 25.116,100.796 25.501,100.796 26.025,101.321 v1(26.441,101.321)
  Bottom Layer w0.2: v1(26.441,101.321) 26.505,101.384 J7.13@26.505,101.95
NetJ7_14: J7.14 R142.7 | length 4.2
  Top Layer w0.15: v1(26.492,97.485) 26.492,96.304 27.815,94.981 27.815,94.613 R142.7@27.94,94.488
  Bottom Layer w0.15: v1(26.492,97.485) 26.505,97.498 J7.14@26.505,98.05
NetJ7_15: J7.15 R144.6 | length 9.9
  Top Layer w0.15: R144.6@22.602,94.48 22.602,97.822 23.855,99.075 23.925,99.075 24.642,99.793 24.642,99.862 25.251,100.471 26.334,100.471 27.082,101.219 v1(27.711,101.219)
NetJ7_16: J7.16 R142.6 | length 3.4
  Top Layer w0.2: v1(27.762,97.561) 28.44,96.884 R142.6@28.44,94.488
NetJ7_17: J7.17 R144.5 | length 11.4
  Top Layer w0.15: R144.5@23.102,94.48 23.102,97.898 23.979,98.775 24.049,98.775 24.942,99.668 24.942,99.738 25.375,100.171 26.459,100.171 26.982,100.694 27.929,100.694 28.53,101.295 v1(29.007,101.295)
  Bottom Layer w0.15: v1(29.007,101.295) 29.045,101.333 J7.17@29.045,101.95